# Altium PCB DM1092.PcbDoc (part 1 of 5) (continued)
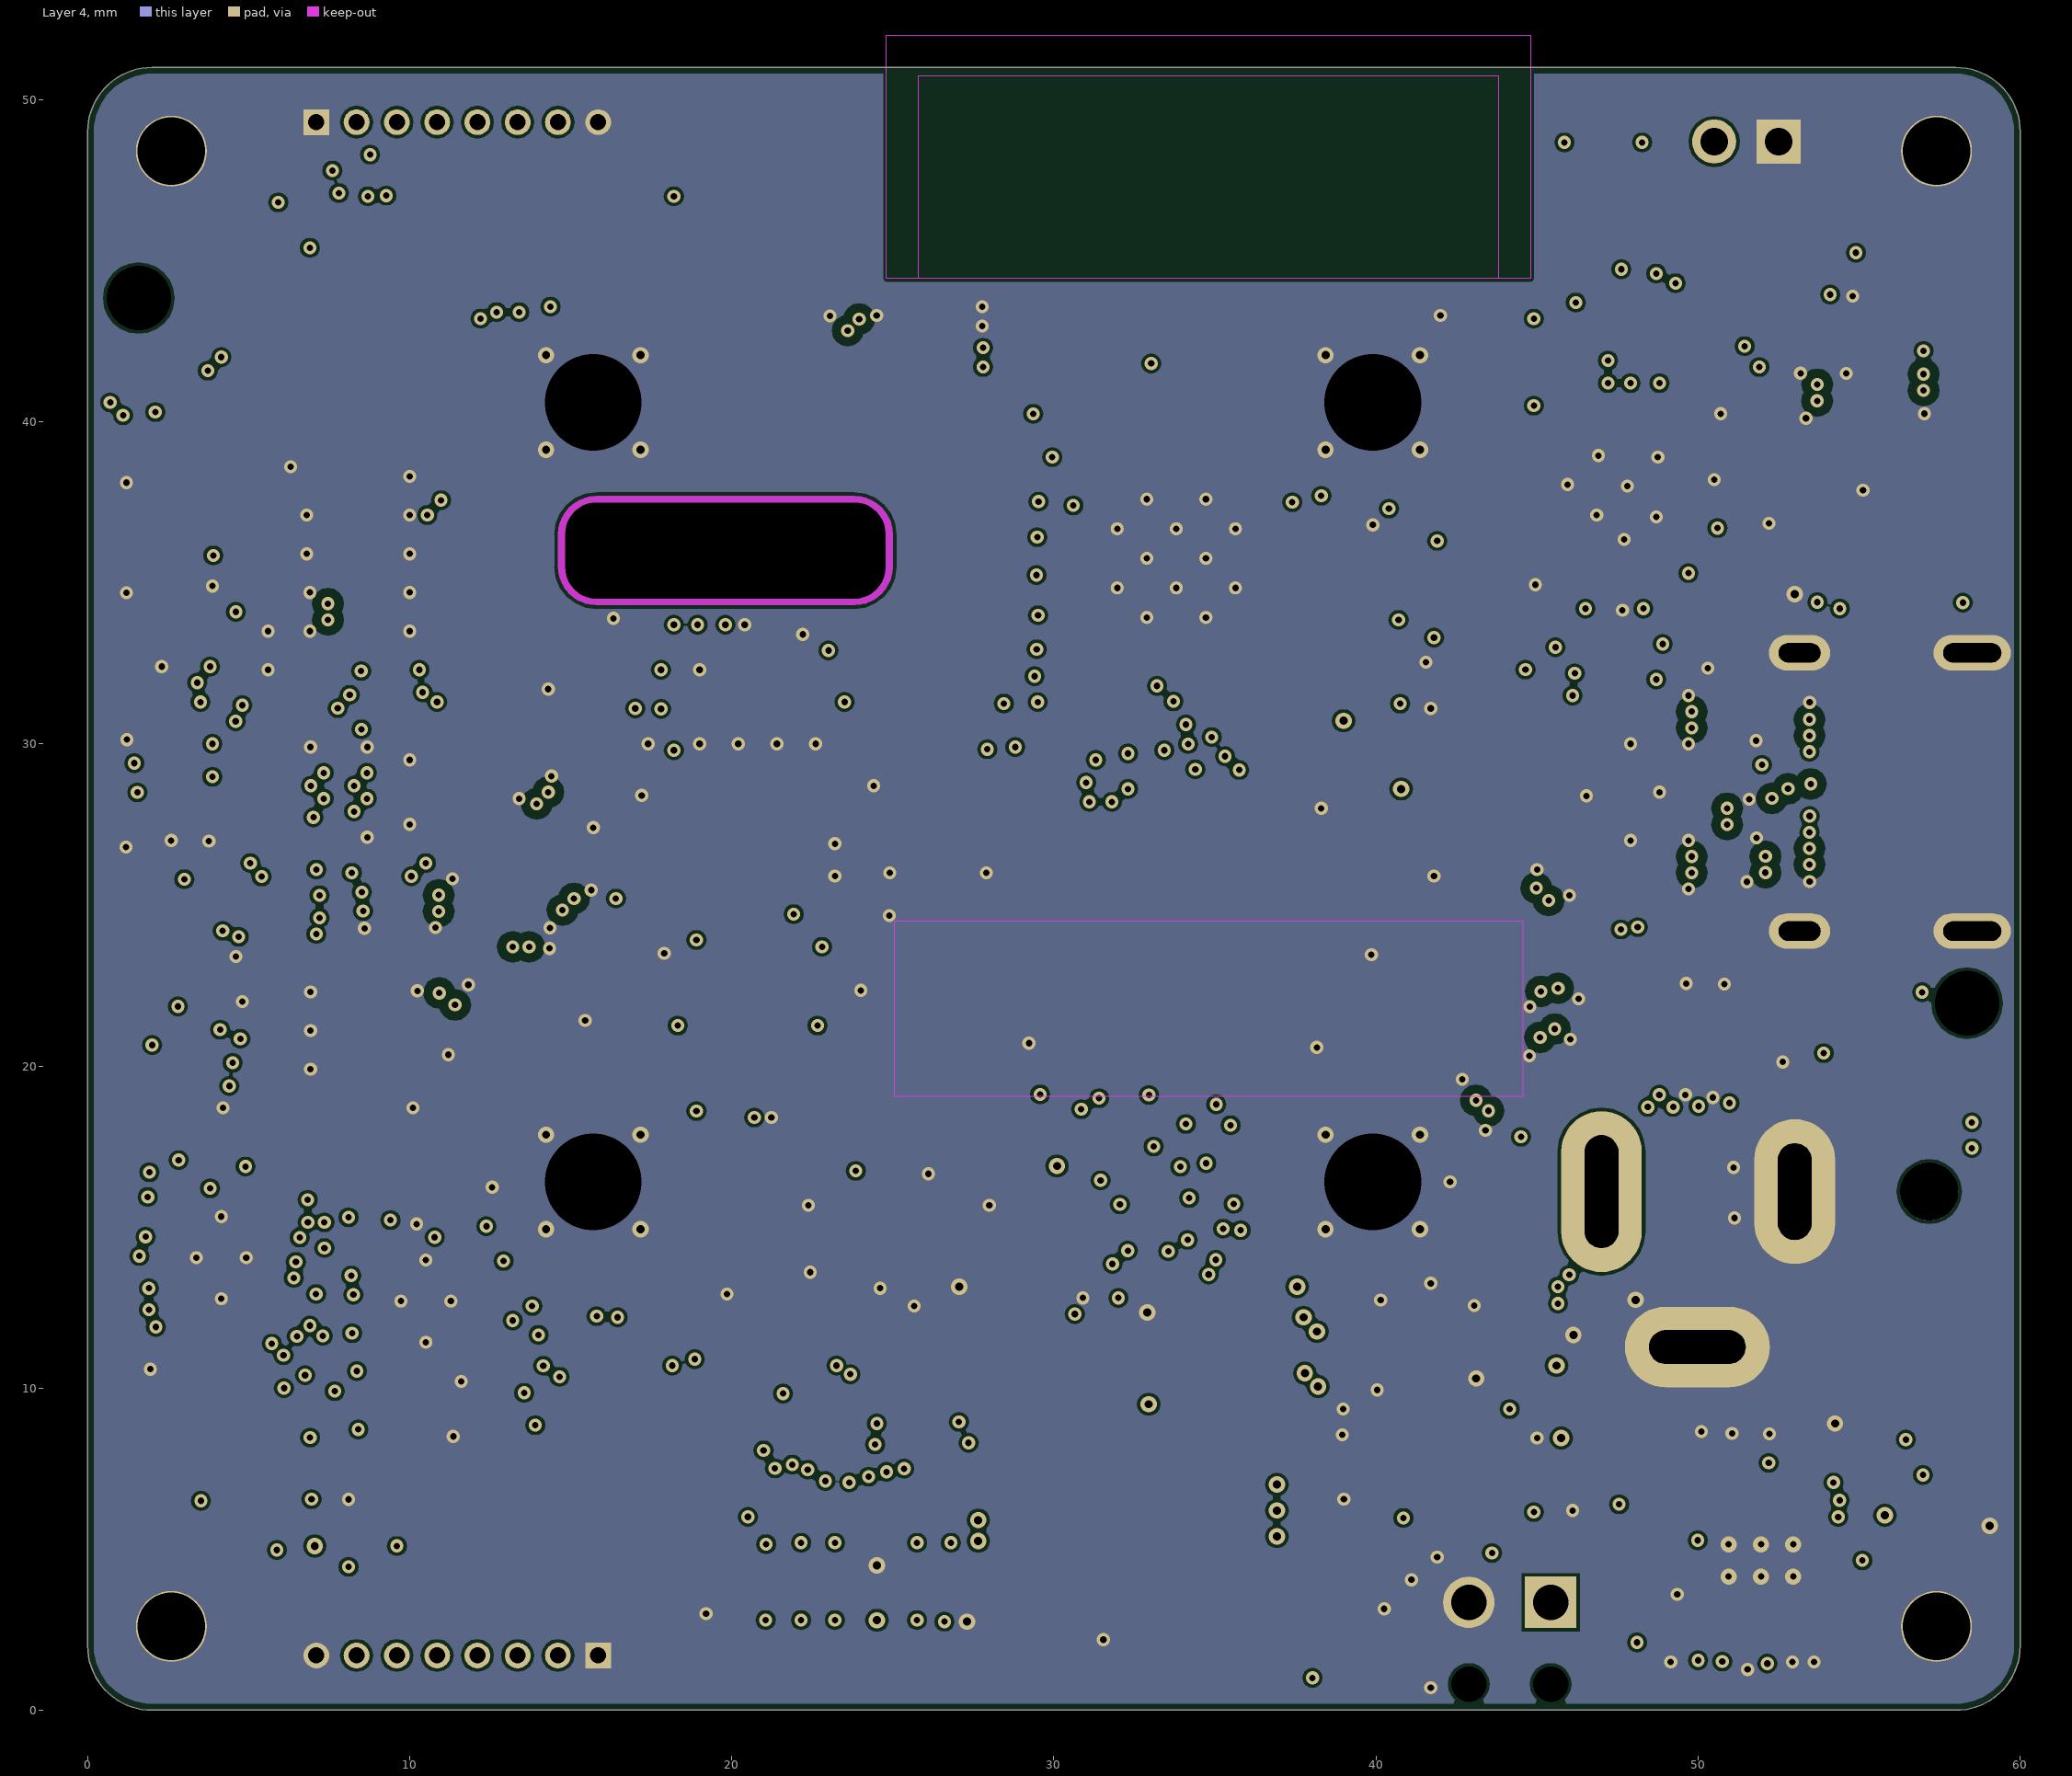
[diagram p4: Layer 4]
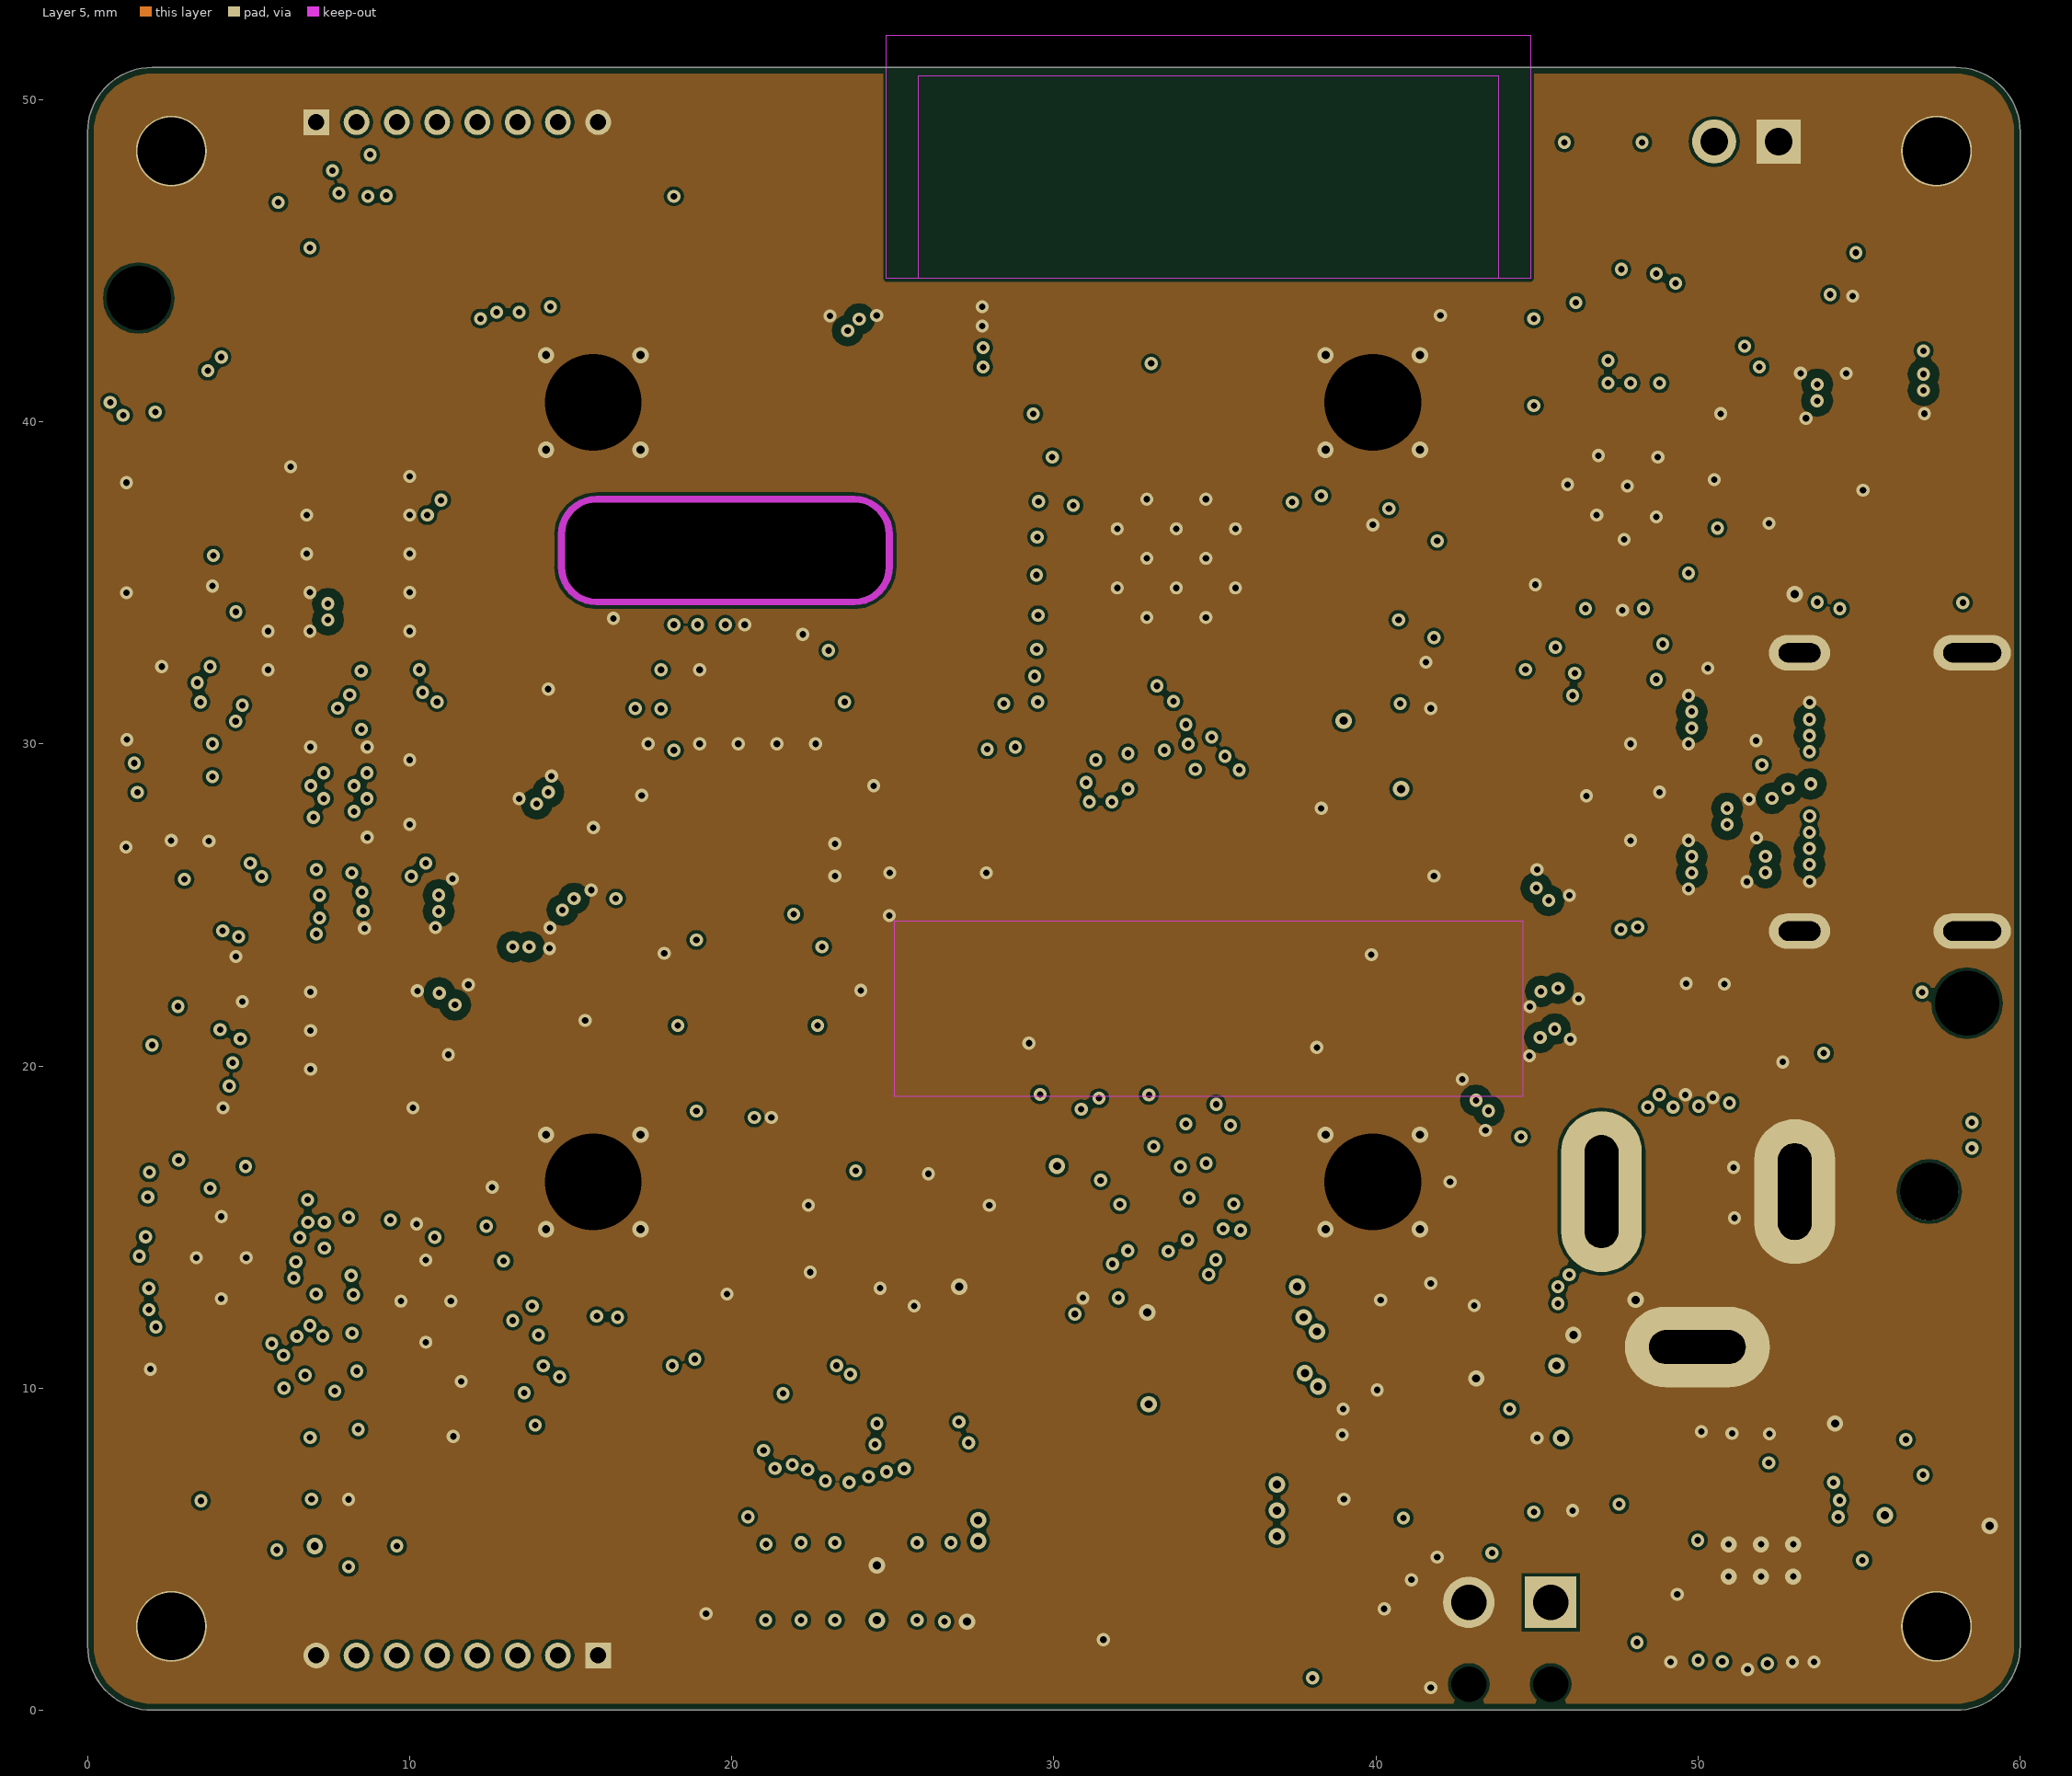
[diagram p5: Layer 5]

## Layer stack, top to bottom
Top Mask: solder mask 0.015, Solder Resist, Dk 3.8
Layer 1: signal copper 0.035
Dielectric 1: prepreg 0.1, 2313, Dk 4.05
Layer 2: signal copper 0.018
Core 1: core 0.565, FR-4, Dk 4.5
Layer 3: signal copper 0.018
Dielectric 2: prepreg 0.127, 2116, Dk 4.25
Layer 4: signal copper 0.018
Core 2: core 0.565, FR-4, Dk 4.5
Layer 5: signal copper 0.018
Dielectric 3: prepreg 0.1, 2313, Dk 4.05
Layer 6: signal copper 0.035
Bottom Mask: solder mask 0.015, Solder Resist, Dk 3.8

## Board outline
0,2 0,49 cw(c2,49) 2,51 58,51 cw(c58,49) 60,49 60,2 cw(c58,2) 58,0 2,0 cw(c2,2)

## Design rules (kind name [scope] priority, off if disabled: settings)
AssemblyTestPointUsage [All] p1: valid=2
BoardOutlineClearance [All] p1: gap=0.2 ignorepadtopadclearanceinfootprint=FALSE
Clearance DIFF_PAIR_GND [InPolygon vs InAnyDifferentialPair] p1: gap=0.381 ignorepadtopadclearanceinfootprint=TRUE
Clearance [All] p2: gap=0.1 ignorepadtopadclearanceinfootprint=TRUE
ComponentClearance [All] p1: gap=0 collisioncheckmode=3 verticalgap=0 showdistances=FALSE
DiffPairsRouting 90ohm [InDifferentialPairClass('USB3')] p1: maxlimit=0.254 minlimit=0.102 mostfreqgap=0.127 toplayer_maxgap=0.102 toplayer_prefgap=0.102 toplayer_minwidth=0.127 toplayer_maxwidth=0.127 toplayer_prefwidth=0.127 midlayer1_minwidth=0.381 midlayer1_maxwidth=0.381 midlayer1_prefwidth=0.381 midlayer2_mingap=0.127 midlayer2_maxgap=0.127 midlayer2_minwidth=0.127 midlayer2_maxwidth=0.127 midlayer2_prefwidth=0.127 midlayer3_mingap=0.127 midlayer3_maxgap=0.127 midlayer3_minwidth=0.127 midlayer3_maxwidth=0.127 midlayer3_prefwidth=0.127 midlayer4_minwidth=0.381 midlayer4_maxwidth=0.381 midlayer4_prefwidth=0.381 bottomlayer_maxgap=0.102 bottomlayer_prefgap=0.102 bottomlayer_minwidth=0.127 bottomlayer_maxwidth=0.127 bottomlayer_prefwidth=0.127 impedanceprofiledriven=TRUE maxuncoupledlength=12.7
DiffPairsRouting 100ohm [InDifferentialPairClass('100ohm')] p2: maxlimit=0.254 minlimit=0.114 mostfreqgap=0.152 toplayer_maxgap=0.114 toplayer_prefgap=0.114 toplayer_minwidth=0.102 toplayer_maxwidth=0.102 toplayer_prefwidth=0.102 midlayer1_minwidth=0.381 midlayer1_maxwidth=0.381 midlayer1_prefwidth=0.381 midlayer2_mingap=0.152 midlayer2_maxgap=0.152 midlayer2_minwidth=0.102 midlayer2_maxwidth=0.102 midlayer2_prefwidth=0.102 midlayer3_mingap=0.152 midlayer3_maxgap=0.152 midlayer3_minwidth=0.102 midlayer3_maxwidth=0.102 midlayer3_prefwidth=0.102 midlayer4_minwidth=0.381 midlayer4_maxwidth=0.381 midlayer4_prefwidth=0.381 bottomlayer_maxgap=0.114 bottomlayer_prefgap=0.114 bottomlayer_minwidth=0.102 bottomlayer_maxwidth=0.102 bottomlayer_prefwidth=0.102 impedanceprofiledriven=TRUE maxuncoupledlength=12.7
FabricationTestPointUsage [All] p1: valid=2 allowmultiple=FALSE
FanoutControl [All] p1: bgadir=Out bgaviamode=Centered fanoutstyle=Rows fanoutdirection=OutOnly viagrid=0.025
FanoutControl Fanout_BGA [IsBGA] p2: bgadir=Out bgaviamode=Centered fanoutstyle=Auto fanoutdirection=Alternating viagrid=0.025 // Fanout_BGA (Default Rule)
FanoutControl Fanout_LCC [IsLCC] p3: bgadir=Out bgaviamode=Centered fanoutstyle=Auto fanoutdirection=Alternating viagrid=0.025 // Fanout_LCC (Default Rule)
FanoutControl Fanout_SOIC [IsSOIC] p4: bgadir=Out bgaviamode=Centered fanoutstyle=Auto fanoutdirection=Alternating viagrid=0.025 // Fanout_SOIC (Default Rule)
FanoutControl Fanout_Small [(CompPinCount < 5)] p5: bgadir=Out bgaviamode=Centered fanoutstyle=Auto fanoutdirection=OutThenIn viagrid=0.025 // Fanout_Small (Default Rule)
FanoutControl Fanout_Default [All] p6: bgadir=Out bgaviamode=Centered fanoutstyle=Auto fanoutdirection=Alternating viagrid=0.025 // Fanout_Default (Default Rule)
HoleSize [All] p1: absolutevalues=TRUE maxlimit=25.4 minlimit=0.2 maxpercent=80.000 minpercent=20.000
HoleToHoleClearance [All] p1: gap=0.254 allowstackedmicrovias=FALSE
MatchedLengths SD_SPI_3V3 [InxSignalClass('SD_SPI_3V3')] p1: tolerance=25.4 checknetsindiffpair=FALSE checkdiffpairvsdiffpair=TRUE checkxsignals=TRUE checkothers=TRUE usedelayunits=TRUE delaytolerance=50.000000
MatchedLengths SPI0 [InxSignalClass('SPI0')] p2: tolerance=50 checknetsindiffpair=FALSE checkdiffpairvsdiffpair=TRUE checkxsignals=TRUE checkothers=TRUE usedelayunits=TRUE delaytolerance=50.000000
MatchedLengths "Altium issue" [InxSignalClass('Altium issue')] p3: tolerance=50 checknetsindiffpair=FALSE checkdiffpairvsdiffpair=TRUE checkxsignals=TRUE checkothers=TRUE
MatchedLengths SPI0_IMU [InxSignalClass('SPI0_IMU')] p4: tolerance=50 checknetsindiffpair=FALSE checkdiffpairvsdiffpair=TRUE checkxsignals=TRUE checkothers=TRUE usedelayunits=TRUE delaytolerance=50.000000
MatchedLengths "Schematic Matched Net Lengths_3" [InNetClass('VDDIOB_GPIO')] p5: tolerance=2.54 checknetsindiffpair=FALSE checkdiffpairvsdiffpair=TRUE checkxsignals=TRUE checkothers=TRUE usedelayunits=TRUE delaytolerance=50.000000
MatchedLengths General_Diff_Pair [InDifferentialPairClass('All Differential Pairs')] p6: tolerance=0.127 checknetsindiffpair=TRUE checkdiffpairvsdiffpair=FALSE checkxsignals=FALSE checkothers=FALSE usedelayunits=TRUE delaytolerance=0.500000
MatchedLengths "Schematic Matched Net Lengths_2" [InNetClass('MIPI_CAM_C')] p7: tolerance=0.127 checknetsindiffpair=FALSE checkdiffpairvsdiffpair=TRUE checkxsignals=TRUE checkothers=TRUE usedelayunits=TRUE delaytolerance=1.000000
MatchedLengths "Schematic Matched Net Lengths_1" [InNetClass('MIPI_CAM_B')] p8: tolerance=0.127 checknetsindiffpair=FALSE checkdiffpairvsdiffpair=TRUE checkxsignals=TRUE checkothers=TRUE usedelayunits=TRUE delaytolerance=1.000000
MatchedLengths "Schematic Matched Net Lengths" [InNetClass('MIPI_CAM_A')] p9: tolerance=0.127 checknetsindiffpair=FALSE checkdiffpairvsdiffpair=TRUE checkxsignals=TRUE checkothers=TRUE usedelayunits=TRUE delaytolerance=1.000000
MinimumSolderMaskSliver [All vs not ( HasFootprint('DF40HC-3.0-100DS-0.4V_minpad')  or HasFootprint('CP2102N-A02-GQFN28R')  or HasFootprint('10118192-0001LF')  or HasFootprint('TPD4EUSB30DQAR')  or HasFootprint('105450-0101') )] p1: minsoldermaskwidth=0.076
PolygonConnect PolygonConnect_PWR [All vs InNet('VBUS') or InNet('NetL2_1') or InNet('3v3') or InNet('VDD_5V_BAT') or InNet('NetL1_1')] p1: connectstyle=Direct reliefconductorwidth=0.254 reliefentries=4 polygonreliefangle="90 Angle" airgapwidth=0.254
PolygonConnect [All] p2: thpad.connectstyle=Direct thpad.reliefconductorwidth=0.254 thpad.reliefentries=4 thpad.polygonreliefangle="90 Angle" thpad.airgapwidth=0.254 smdpad.connectstyle=Relief smdpad.reliefconductorwidth=0.254 smdpad.reliefentries=4 smdpad.polygonreliefangle="90 Angle" smdpad.airgapwidth=0.254 via.connectstyle=Direct via.reliefconductorwidth=0.254 via.reliefentries=4 via.polygonreliefangle="90 Angle" via.airgapwidth=0.254
RoutingVias RoutingVias_DiffPairs [InDifferentialPairClass('All Differential Pairs')] p1: holewidth=0.203 width=0.406 viastyle="Through Hole" minholewidth=0.203 minwidth=0.406 maxholewidth=25.4 maxwidth=25.4
RoutingVias RoutingVias_General [All] p2: holewidth=0.254 width=0.508 viastyle="Through Hole" minholewidth=0.203 minwidth=0.406 maxholewidth=25.4 maxwidth=25.4
SilkToSilkClearance [All] p1: silktosilkclearance=0.025
SilkToSolderMaskClearance [InPadClass('All Pads')] p1: minsilkscreentomaskgap=0 clearancetoexposedcopper=FALSE
SolderMaskExpansion [All] p1: expansion=0.102 istentingtop=FALSE
UnRoutedNet [All] p1: checkbadconnections=TRUE
Width [All] p1: maxlimit=1 minlimit=0.102 preferedwidth=0.102 minimp=50.000000 maximp=50.000000 favimp=50.000000
15 further rules are at their usual default settings.

## Classes and differential pairs
component class DM1092_uSD: C59 J14 R22 R23 R64 R65 R66 R67 R68 R69
component class DM1092_Battery&Alarm: C13 C14 C37 C40 C60 C62 C63 C64 C65 C66 D1 D9 J7 LS1 M1 Q5 Q6 Q7 R25 R27 R28 R48 R49 R50 R51 R52 R53 R54 R55 R56 R57 R58 R59 TP6 TP7 TP8 TP9 TP20 U7 U9
net class SPI0: GPIO8/SPI0_CS_1 SPI0_CS_0 SPI0_SCK SPI0_SIO0 SPI0_SIO1 SPI0_SIO2 SPI0_SIO3
differential pair class USB3: RXB RXC TXB TXB1 TXC TXC1 USB_D USB_RX USB_TX USBSER_D
differential pair class 100ohm: MIPI_RX2_C MIPI_RX2_D0 MIPI_RX2_D1 MIPI_RX3_C MIPI_RX3_D0 MIPI_RX3_D1 MIPI_RX4_C MIPI_RX4_D0 MIPI_RX4_D1 MIPI_RX5_D0 MIPI_RX5_D1
net class VDDIOB_GPIO: ESP_GPIO2 ESP_GPIO4 ESP_GPIO12 ESP_GPIO13 ESP_GPIO14 ESP_GPIO15
net class Power_trace: 1V2_L 1V2_R 1V05_IMX378 1V8_IMX378 1V8_L 1V8_R 2V8_IMX378 2V8_L 2V8_R 3V3 VBUS VDD_5V_BAT
net class MIPI_CAM_C: MIPI_RX3_C_N MIPI_RX3_C_P MIPI_RX3_D0_N MIPI_RX3_D0_P MIPI_RX3_D1_N MIPI_RX3_D1_P
net class MIPI_CAM_B: MIPI_RX2_C_N MIPI_RX2_C_P MIPI_RX2_D0_N MIPI_RX2_D0_P MIPI_RX2_D1_N MIPI_RX2_D1_P
net class MIPI_CAM_A: MIPI_RX4_C_N MIPI_RX4_C_P MIPI_RX4_D0_N MIPI_RX4_D0_P MIPI_RX4_D1_N MIPI_RX4_D1_P MIPI_RX5_D0_N MIPI_RX5_D0_P MIPI_RX5_D1_N MIPI_RX5_D1_P
component class U_BW1092_USB: C29 C30 C31 C32 C33 C34 C35 C36 C41 D6 D7 D8 J10 R11 R12 R13 R14 R15 R16 R17 R18 R19 R20 R21 TP19 TP21 TP22 TP23 U5 U6
component class U_BW1092_RIGHT_OV9282: C23 C24 C25 C26 C27 C28 FB7 FB8 FB9 J9 R9 R10 TP18
component class U_BW1092_QWIIC: J11 J12
component class U_BW1092_Power_Supply: C15 C16 C17 C18 C19 C20 C21 C22 C38 C39 J8 L1 L2 R5 R6 R7 R8 TP10 TP11 TP12 TP13 TP14 TP15 TP16 TP17 U1 U2 U3 U4 U8
component class U_BW1092_LEVEL_SHIFT: C49 C50 C51 C52 C53 C54 R39 R40 U13 U14
component class U_BW1092_LEFT_OV9282: C7 C8 C9 C10 C11 C12 FB4 FB5 FB6 J3 R2 R3 R4 R24 R26 TP5
component class U_BW1092_IMX378: C1 C2 C3 C4 C5 C6 FB1 FB2 FB3 J2 R1
component class U_BW1092_IMU: C42 C43 C44 C45 C46 C47 C48 R29 R30 R35 R36 R37 R38 TP26 U12 Y1
component class U_BW1092_ESP32: C55 C56 C57 C58 C61 C68 D5 J4 J5 J6 Q4 R41 R42 R43 R44 R45 R46 R60 R61 R62 R63 TP29 TP30 TP31 TP33 TP35 TP36 TP38 TP40 TP41 TP42 TP43 TP44 TP45 TP46 TP47 TP53 TP57 TP58 TP59 TP60 U10 U11 U15
component class U_BW1092_Connector: B1 D2 D3 D4 J1 MH1 MH2 MH3 MH4 MISC1 Q1 Q2 Q3 R31 R32 R33 R34 TP1 TP2 TP3 TP4
component class DM1092_TopLevel: FID1 FID2 FID3 FID4 FID5 FID6 MP5 MP6 MP7 MP8
differential pair USBSER_D: +USBSER_D_P -USBSER_D_N
differential pair USB_TX: +USB_TX_P -USB_TX_N
differential pair USB_RX: +USB_RX_P -USB_RX_N
differential pair USB_D: +USB_D_P -USB_D_N
differential pair TXC: +TXC_P -TXC_N
differential pair TXC1: +TXC1_P -TXC1_N
differential pair TXB: +TXB_P -TXB_N
differential pair TXB1: +TXB1_P -TXB1_N
differential pair RXC: +RXC_P -RXC_N
differential pair RXB: +RXB_P -RXB_N
differential pair MIPI_RX5_D1: +MIPI_RX5_D1_P -MIPI_RX5_D1_N
differential pair MIPI_RX5_D0: +MIPI_RX5_D0_P -MIPI_RX5_D0_N
differential pair MIPI_RX4_D1: +MIPI_RX4_D1_P -MIPI_RX4_D1_N
differential pair MIPI_RX4_D0: +MIPI_RX4_D0_P -MIPI_RX4_D0_N
differential pair MIPI_RX4_C: +MIPI_RX4_C_P -MIPI_RX4_C_N
differential pair MIPI_RX3_D1: +MIPI_RX3_D1_P -MIPI_RX3_D1_N
differential pair MIPI_RX3_D0: +MIPI_RX3_D0_P -MIPI_RX3_D0_N
differential pair MIPI_RX3_C: +MIPI_RX3_C_P -MIPI_RX3_C_N
differential pair MIPI_RX2_D1: +MIPI_RX2_D1_P -MIPI_RX2_D1_N
differential pair MIPI_RX2_D0: +MIPI_RX2_D0_P -MIPI_RX2_D0_N
differential pair MIPI_RX2_C: +MIPI_RX2_C_P -MIPI_RX2_C_N

## Components (designator, comment, footprint, x,y, rotation, side; value= is the part's Value field where it differs from the comment)
B1 "Off-Mom, 50mA" DTSM-32N-V 52.8,40.9 r90 bottom locked
C1 "0.1uF 0402" CAPC0402(1005)70_L 17.5,31.7 r180 top
C2 "10uF 0603" CAPC0603(1608)100_L 17.2,28.5 r90 top
C3 "0.1uF 0402" CAPC0402(1005)70_L 19.001,30.684 r180 top
C4 "10uF 0603" CAPC0603(1608)100_L 19,32.3 r270 top
C5 "0.1uF 0402" CAPC0402(1005)70_L 17.29,33.15 r270 top
C6 "10uF 0603" CAPC0603(1608)100_L 15.649,32.97 r0 top
C7 "0.1uF 0402" CAPC0402(1005)70_L 49.05,24.75 r180 top
C8 "10uF 0603" CAPC0603(1608)100_L 49.5,23.9 r180 bottom
C9 "0.1uF 0402" CAPC0402(1005)70_L 46.7,24.7 r0 top
C10 "10uF 0603" CAPC0603(1608)100_L 46.2,23.8 r0 bottom
C11 "0.1uF 0402" CAPC0402(1005)70_L 50.9,17.85 r90 top
C12 "10uF 0603" CAPC0603(1608)100_L 50.419,21.748 r0 bottom
C13 "4.7uF 0603" CAPC0603(1608)100_N 55.1,8.25 r270 top
C14 "1uF 0402" CAPC0402(1005)70_N 50.1,7.6 r270 top
C15 "10uF 0603" CAPC0603(1608)100_L 43.2,10.4 r0 top
C16 "22uF 0603" CAPC0603(1608)100_N 40.152,13.07 r0 top
C17 "10uF 0603" CAPC0603(1608)100_L 24,22.4 r90 top
C18 "10uF 0603" CAPC0603(1608)100_L 19.1,22.4 r270 top
C19 "10uF 0603" CAPC0603(1608)100_L 17.3,22.7 r180 top
C20 "10uF 0603" CAPC0603(1608)100_L 15.7,27.5 r90 top
C21 "10uF 0603" CAPC0603(1608)100_L 23.6,24.5 r180 top
C22 "22uF 0603" CAPC0603(1608)100_L 22.647,29.046 r180 top
C23 "0.1uF 0402" CAPC0402(1005)70_L 7.9,25 r270 top
C24 "10uF 0603" CAPC0603(1608)100_L 3.3,19.7 r90 top
C25 "0.1uF 0402" CAPC0402(1005)70_L 5.9,24.5 r0 top
C26 "10uF 0603" CAPC0603(1608)100_L 3.3,23.3 r270 top
C27 "0.1uF 0402" CAPC0402(1005)70_L 11.278,18.37 r180 top
C28 "10uF 0603" CAPC0603(1608)100_L 11.1,17.405 r180 top
C29 "10uF 0402" CAPC0402(1005)70_L 57.551,25.282 r180 top
C30 "10uF 0402" CAPC0402(1005)70_L 57.559,26.163 r180 top
C31 "0.1uF 0201" CAPC0201(0603)33_L 46.8,29.5 r180 bottom locked
C32 "0.1uF 0201" CAPC0201(0603)33_L 46.8,28.9 r180 bottom locked
C33 "0.1uF 0201" CAPC0201(0603)33_L 46.8,26.5 r180 bottom locked
C34 "0.1uF 0201" CAPC0201(0603)33_L 46.8,25.9 r180 bottom locked
C35 "10uF 0402" CAPC0402(1005)70_L 39.7,28.6 r0 bottom
C36 "10uF 0402" CAPC0402(1005)70_L 40.424,32.933 r90 bottom
C37 "0.1uF 0402" CAPC0402(1005)70_N 36.5,11.75 r90 top
C38 "10uF 0603" CAPC0603(1608)100_L 22.5,19.7 r90 top
C39 "10uF 0603" CAPC0603(1608)100_L 17.5,20.5 r270 top
C40 "4.7uF 0603" CAPC0603(1608)100_N 50.1,16.1 r180 top
C41 "1uF 0402" CAPC0402(1005)70_N 56.286,34.016 r180 top
C42 "10uF 0603" CAPC0603(1608)100_N 22.3,17.4 r0 top
C43 "10uF 0603" CAPC0603(1608)100_L 28.95,17.6 r270 top
C44 "0.1uF 0402" CAPC0402(1005)70_N 25.1,17.4 r180 top
C45 "0.1uF 0402" CAPC0402(1005)70_L 27.4,17.4 r0 top
C46 "0.1uF 0402" CAPC0402(1005)70_N 21.6,14.95 r90 top
C47 "18pF 0201" CAPC0201(0603)33_N 28.625,13.62 r90 top
C48 "18pF 0201" CAPC0201(0603)33_N 28.625,15.32 r270 top
C49 "0.1uF 0402" CAPC0402(1005)70_N 11.499,16.236 r180 top
C50 "0.1uF 0402" CAPC0402(1005)70_N 9.093,16.185 r180 top
C51 "1uF 0402" CAPC0402(1005)70_N 10.05,8.25 r180 top
C52 "0.1uF 0402" CAPC0402(1005)70_N 3.85,17.8 r180 top
C53 "0.1uF 0402" CAPC0402(1005)70_N 5.715,17.829 r270 top
C54 "1uF 0402" CAPC0402(1005)70_N 3.05,10.5 r0 top
C55 "0.1uF 0402" CAPC0402(1005)70_N 27.1,42.5 r270 bottom locked
C56 "10uF 0603" CAPC0603(1608)100_N 28.783,42.021 r270 bottom
C57 "4.7uF 0603" CAPC0603(1608)100_N 31.115,42.703 r0 bottom
C58 "4.7uF 0603" CAPC0603(1608)100_N 52.2,36.1 r180 bottom
C59 "4.7uF 0603" CAPC0603(1608)100_N 24.5,4.45 r270 top
C60 "22uF 0603" CAPC0603(1608)100_N 46.85,11.65 r270 top
C61 "0.1uF 0402" CAPC0402(1005)70_N 6,7.3 r0 bottom
C62 "22uF 0603" CAPC0603(1608)100_N 39.725,8.2 r270 top
C63 "22uF 0603" CAPC0603(1608)100_N 38.2,8.2 r270 top
C64 "10nF 0402" CAPC0402(1005)60_N 39.4,5.95 r0 top
C65 "0.1uF 0402" CAPC0402(1005)70_N 40.8,4.75 r180 top
C66 "4.7uF 0603" CAPC0603(1608)100_N 57.35,5.75 r180 top
C68 "0.1uF 0402" CAPC0402(1005)70_N 51.7,34.65 r180 bottom
D1 "3W, 5.6V" 1SMB5919BT3G 55.8,11.85 r0 top
D2 "RED 0603" SML_D1xx8W 53.5,6.957 r90 bottom
D3 "ORANGE 0603" SML_D1xx8W 51,7.007 r90 bottom
D4 "ORANGE 0603" SML_D1xx8W 48.5,6.957 r90 bottom
D5 "PESD5V0L5UY,125" PESD5V0L5UY,125 56.8,41.5 r0 top
D6 "TPD4EUSB30DQAR" TPD4EUSB30DQAR 47.8,28.5 r90 top
D7 "TPD4EUSB30DQAR" TPD4EUSB30DQAR 48.8,30 r270 bottom locked
D8 "TPD4EUSB30DQAR" TPD4EUSB30DQAR 48.8,27 r270 bottom locked
D9 "ORANGE 0603" SML_D1xx8W 38.55,3.55 r90 bottom